# KiCad board Turkey-Corne-Kit.kicad_pcb (continued)
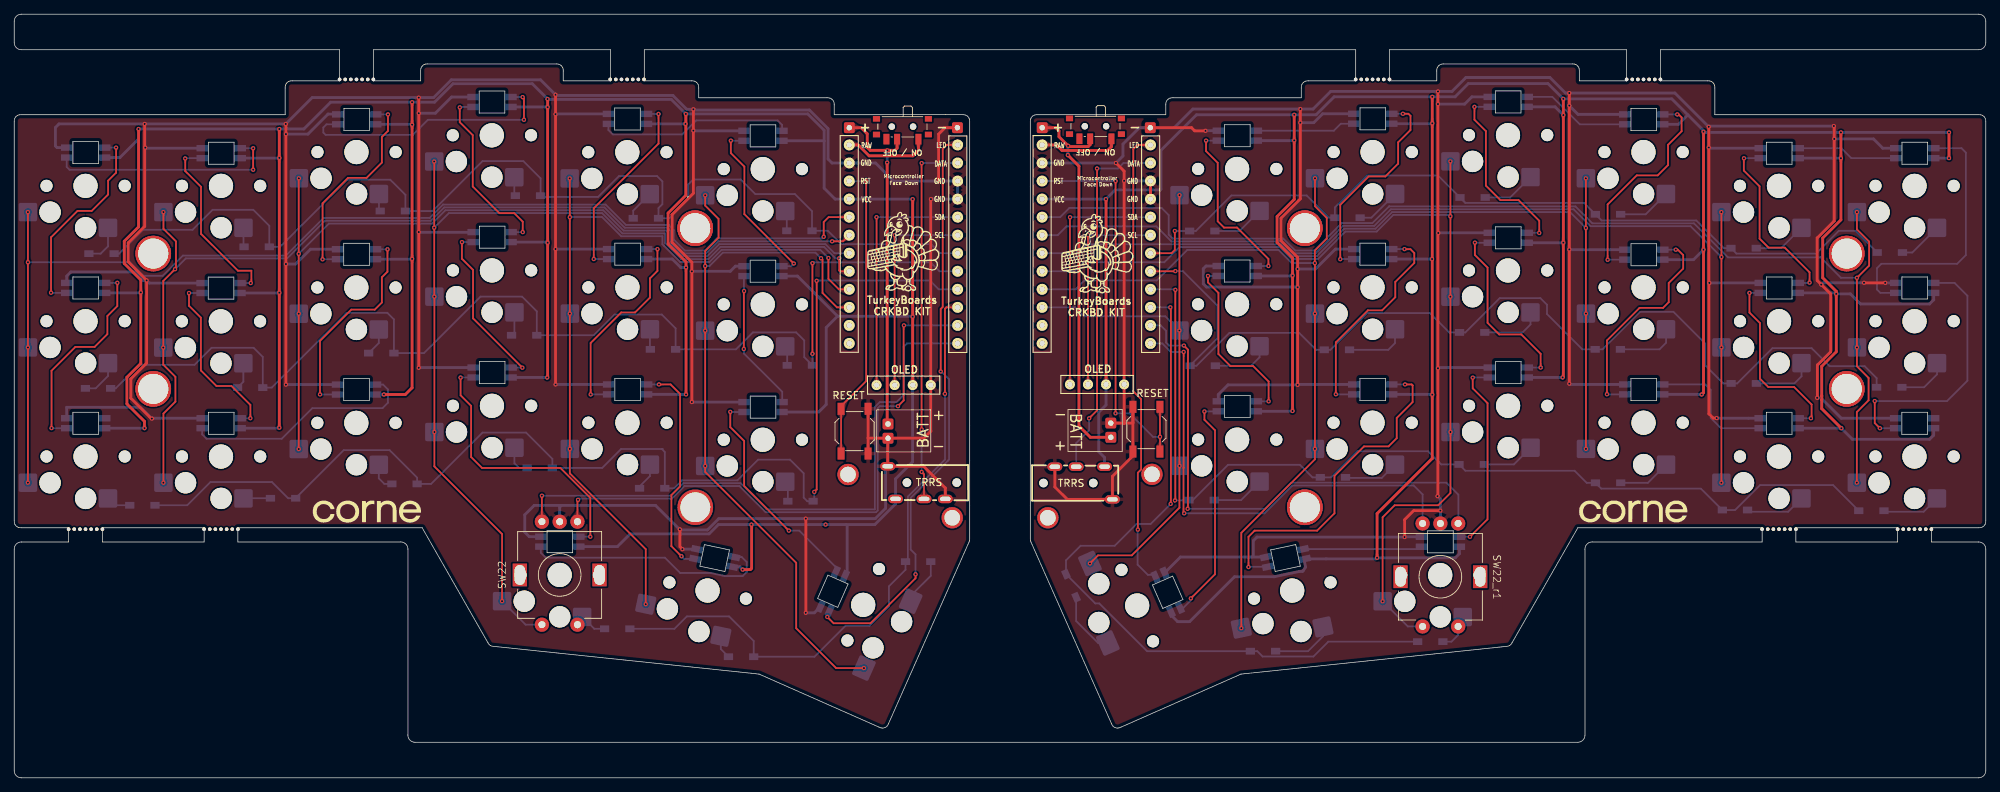
[diagram p0: board, top side]
## Routing (per net, layer and track width the routed paths; a pad name or vN(x,y) marks a point on that pad's centre or on a via; arc(x,y) is an arc through that point) (continued)
VCC: length 568.6
  Top w0.4: v1(17.49,91.33) 17.49,77.54 15.48,75.53 15.48,72.41 17.8,70.09 v1(17.8,68.32) 17.8,58.33 15.85,56.38 15.85,52.64 18.32,50.17 v1(18.32,49.21) ; v1(94.44,93.45) 94.44,92.11 v1(94.38,92.05) 94.44,91.99 94.44,82 91.95,79.5 91.95,75.14 94.47,72.62 v1(94.47,71.83) v1(94.47,53.96) ; v1(74.95,56.34) 75,56.4 v1(75,75.32) v1(75,94.4) v1(75,95.55) ; v1(55.95,95.1) v1(55.95,91.93) v1(55.95,73.04) 55.95,54.9 55,53.95 v1(51.98,53.95) ; v1(102.43,29.31) 103.51,29.31 103.69,29.49 103.69,35.62 v1(103.67,35.64) ; v1(37.28,91.33) v1(37.28,87.26) v1(37.28,68.28) v1(37.28,49.28) 37.33,49.23 ; J2.3 v1(126.34,64.91) v1(126.34,81.45)
  Bottom w0.4: v1(94.38,92.05) L5.1 ; L9.1 55.91,73 v1(55.95,73.04) ; v1(102.43,29.31) 102.04,29.7 L20.1 ; v1(126.34,81.45) 126.32,81.47 U1.21 115.42,81.47 113.89,83 113.89,89.65 ; v1(74.95,56.34) 74.94,56.35 L16.1 ; 117,35.64 117.13,35.51 117.13,28.74 L21.1 ; L2.1 37.24,87.23 v1(37.28,87.26) ; 113.89,89.65 113.89,91.15 111.59,93.45 v1(94.44,93.45) 92.39,95.5 75.05,95.5 v1(75,95.55) 72.85,97.7 61.7,97.7 59.1,95.1 v1(55.95,95.1) 44.5,95.1 40.73,91.33 v1(37.28,91.33) v1(17.49,91.33) 17.49,89.93 14.87,87.31 12.73,87.31 ; 113.89,89.65 113.87,89.67 107.96,89.67 ; v1(37.28,68.28) 37.24,68.24 L8.1 ; L11.1 92.53,73.02 93.72,71.83 v1(94.47,71.83) ; v1(94.47,53.96) 94.46,53.97 L17.1 ; v1(37.28,49.28) 37.21,49.21 L14.1 ; v1(17.8,68.32) 17.74,68.26 L7.1 ; L3.1 55.89,91.99 v1(55.95,91.93) ; L10.1 74.91,75.41 v1(75,75.32) ; v1(126.34,64.91) 126.29,64.96 115.76,64.96 ; 115.76,64.96 115.76,65 110.14,70.62 L12.1 ; 115.76,64.96 114.18,63.38 114.18,52.54 113.12,51.49 L18.1 ; v1(51.98,53.95) L15.1 ; 75,94.5 74.93,94.43 L4.1 ; L13.1 v1(18.32,49.21) ; L19.1 84.82,32.54 86.61,34.33 97.7,34.33 99.01,35.64 v1(103.67,35.64) v1(114.09,35.64) 121.01,35.64 123.93,38.56 J1.1D 123.93,42.08 126.33,44.48 126.33,55.27 J2.3
VCC_r: length 577.2
  Top w0.4: J3_r1.3 153.53,81.45 v1(153.52,81.46) ; v1(237.54,90.95) v1(237.54,74.34) 237.54,54.21 v1(237.28,53.95) ; v1(179.99,93.33) v1(179.99,89.72) 179.99,81.42 177.58,79.01 177.58,75.37 179.75,73.2 v1(179.75,70.7) v1(179.75,51.63) ; 272.05,87.22 v1(272.06,87.23) v1(272.06,90.85) ; v1(256.92,49.2) 254.16,51.96 254.16,53.21 254.17,53.22 254.17,53.75 254.16,53.76 254.16,57.93 256.21,59.98 256.21,68.11 v1(256.2,68.12) 256.2,68.48 254.3,70.38 254.3,75.98 256.86,78.54 v1(256.86,87.22) v1(256.86,90.85) ; v1(199.4,95.86) v1(199.4,92.13) v1(199.4,53.93) 199.4,44.95 191.64,37.19 v1(191.64,30.96) ; v1(217.82,95.57) 217.83,95.56 v1(217.83,93.29) v1(217.83,75.33) 217.83,56.45 v1(217.73,56.35)
  Bottom w0.4: L11_r1.1 v1(199.37,73.02) 199.4,72.99 ; L15_r1.1 237.26,53.97 v1(237.28,53.95) ; 235.34,93.31 233.08,95.57 v1(217.82,95.57) 215.67,97.72 204.47,97.72 202.61,95.86 v1(199.4,95.86) 185.6,95.86 183.07,93.33 v1(179.99,93.33) 166.25,93.33 161.25,88.33 161.25,82.86 161.14,82.75 154.81,82.75 v1(153.52,81.46) 153.51,81.47 U2.21 ; 235.34,93.31 234.01,91.99 L3_r1.1 ; 235.34,93.31 237.54,91.11 v1(237.54,90.95) 237.64,90.85 v1(256.86,90.85) v1(272.06,90.85) ; 199.35,53.93 199.31,53.97 L17_r1.1 ; v1(179.75,70.7) 179.69,70.64 L12_r1.1 ; 212.75,94.45 216.67,94.45 v1(217.83,93.29) ; L9_r1.1 236.13,72.94 v1(237.54,74.34) ; v1(179.99,89.72) 179.96,89.69 L6_r1.1 ; 256.86,87.19 256.82,87.23 L2_r1.1 ; 269.91,68.26 269.91,67.29 269.32,66.7 259.61,66.7 258.19,68.12 v1(256.2,68.12) 256.06,68.26 L8_r1.1 ; J3_r1.3 153.53,52.48 152.5,51.45 152.5,45.9 153.32,45.08 J1_r1.1D ; 250.85,49.21 256.91,49.21 v1(256.92,49.2) 258.47,47.65 269.33,47.65 269.9,48.22 L13_r1.1 ; L1_r1.1 272.05,87.23 v1(272.06,87.23) ; v1(217.73,56.35) L16_r1.1 ; L10_r1.1 217.74,75.32 217.79,75.27 ; L18_r1.1 179.71,51.59 v1(179.75,51.63) ; L19_r1.1 203.22,31.55 202.63,30.96 v1(191.64,30.96) 191.49,30.82 L20_r1.1 181.37,30.67 181.58,29.66 181.27,29.17 181.14,29.05 180.7,29.05 177.18,28.3 171.59,28.3 165.28,21.98 163.59,21.98 162.64,22.93 L21_r1.1 ; v1(199.4,92.13) 199.34,92.07 L5_r1.1
col0: length 165.4
  Top w0.25: v1(1.93,41.54) v1(1.93,60.59) v1(1.93,72.57) v1(1.93,79.64) ; U1.20 114.52,78.93 113.83,78.23 v1(113.83,76.15)
  Bottom w0.25: v1(1.93,72.57) 16.28,72.57 18.19,70.66 20.87,70.66 23.72,73.51 38.21,73.51 43.51,78.81 58.42,78.81 60.3,80.69 83.16,80.69 86.02,77.83 92,77.83 92.74,77.09 92.74,75.77 94.29,74.22 97.12,74.22 98.82,75.92 113.6,75.92 v1(113.83,76.15) 113.65,75.97
col0_r: length 166.8
  Top w0.25: v1(259.11,79.64) 259.11,77.19 260.83,75.47 260.83,72.1 v1(259.11,70.38) v1(259.11,60.59) 259.11,57.93 260.75,56.29 260.75,53.14 259.1,51.49 v1(259.1,41.54)
  Bottom w0.25: v1(259.11,70.38) 256.87,70.38 253.99,73.26 240.98,73.26 236.19,78.05 221.91,78.05 219.53,80.43 193.38,80.43 193.35,80.46 190.98,78.09 186.69,78.09 182.83,74.23 180.12,74.23 178.45,75.9 162.89,75.9 162.34,76.45 162.34,79.21 161.34,80.21 148.37,80.21 147.08,78.93 U2.20
col1: length 143.9
  Top w0.25: U1.19 116.55,75.52 v1(115.01,75.52) ; v1(20.98,79.64) 20.99,79.63 20.99,77.27 22.75,75.51 22.75,71.73 v1(22.62,71.6) 20.96,69.94 v1(20.96,60.57) 20.96,58.15 22.67,56.44 22.67,52.95 20.98,51.26 v1(20.98,41.54)
  Bottom w0.25: v1(22.62,71.6) 24.13,73.11 38.38,73.11 43.68,78.41 58.59,78.41 60.47,80.29 82.99,80.29 85.85,77.43 91.83,77.43 92.34,76.93 92.34,75.61 94.12,73.82 97.28,73.82 98.98,75.52 v1(115.01,75.52)
col1_r: length 141.1
  Top w0.25: v1(240.05,41.54) 240.05,60.58 v1(240.06,60.59) v1(240.06,73.3) 240.06,79.63 v1(240.05,79.64)
  Bottom w0.25: v1(240.06,73.3) 235.71,77.65 221.65,77.65 219.27,80.03 193.59,80.03 191.25,77.69 186.85,77.69 182.99,73.83 179.95,73.83 178.28,75.5 162.72,75.5 160.6,77.62 147.97,77.62 146.73,76.39 U2.19
col2: length 122.8
  Top w0.25: v1(40.03,84.4) 40.01,84.38 v1(40.01,73.76) v1(40.01,65.33) v1(40.01,46.28)
  Bottom w0.25: v1(40.01,73.76) 40.01,73.77 44.25,78.01 58.75,78.01 60.63,79.89 82.82,79.89 85.68,77.03 91.66,77.03 91.94,76.76 91.94,75.44 93.95,73.42 97.45,73.42 99.15,75.12 114.05,75.12 115.33,73.85 U1.18
col2_r: length 119.3
  Top w0.25: v1(221,84.4) v1(221,77.4) 221,65.36 v1(221.01,65.35) v1(221.01,46.3)
  Bottom w0.25: U2.18 149.51,73.85 150.77,75.1 178.11,75.1 179.78,73.43 183.16,73.43 187.02,77.29 191.41,77.29 193.75,79.63 218.77,79.63 v1(221,77.4)
col3: length 138.6
  Top w0.25: v1(68.6,24.87) 68.6,34.31 59.08,43.83 v1(59.08,48.68) v1(59.08,67.74) 59.06,67.76 v1(59.06,77.43) v1(59.06,86.76) ; U1.17 116.12,71.31 116.01,71.42 v1(116.01,73.14)
  Bottom w0.25: v1(59.06,77.43) 61.12,79.49 82.66,79.49 85.52,76.63 91.5,76.63 91.54,76.6 91.54,75.28 93.8,73.01 97.6,73.01 99.31,74.72 113.89,74.72 115.47,73.14 v1(116.01,73.14) ; SW22.S1 71.91,21.55 v1(68.6,24.87)
col3_r: length 138.7
  Top w0.25: v1(201.95,86.78) v1(201.95,79.04) v1(201.95,67.73) 201.95,48.69 v1(201.96,48.68) 201.96,40.09 200.23,38.36 194.11,38.36 192.42,36.67 v1(192.42,24.85)
  Bottom w0.25: v1(201.95,79.04) 201.76,79.23 193.92,79.23 191.58,76.89 187.18,76.89 183.32,73.03 179.62,73.03 177.95,74.7 163.85,74.7 161.72,72.57 150.39,72.57 149.12,71.31 U2.17 ; v1(192.42,24.85) 195.96,21.3 SW22_r1.S1
col4: length 111.7
  Top w0.25: v1(114.49,73.17) 114.49,70.23 115.95,68.77 U1.16 ; v1(88.8,24.44) 88.8,32.18 78.13,42.85 v1(78.13,46.3) v1(78.13,65.35) v1(78.13,78.92) 78.13,84.36 v1(78.11,84.38)
  Bottom w0.25: v1(78.13,78.92) 78.15,78.94 82.64,78.94 85.35,76.23 91.14,76.23 91.14,75.11 93.63,72.61 97.77,72.61 99.48,74.32 113.34,74.32 v1(114.49,73.17)
col4_r: length 110.4
  Top w0.25: v1(172.54,21.07) 172.54,34.48 182.9,44.83 v1(182.9,46.3) v1(182.9,65.35) 182.9,72.45 v1(182.89,72.46) 182.89,74.22 184.57,75.89 184.57,78.8 182.91,80.46 v1(182.91,84.4)
  Bottom w0.25: v1(182.89,72.46) 182.88,72.46 179.62,72.46 177.78,74.3 164.95,74.3 160.66,70.01 150.5,70.01 149.25,68.77 U2.16
col5: length 106.6
  Top w0.25: v1(97.16,82) 97.16,80.55 99.04,78.67 99.04,76.03 97.16,74.15 v1(97.16,72.04) v1(97.16,62.95) v1(97.16,43.9) 97.16,43.06 109.96,30.26 109.96,21.05 115.56,15.45 v1(119.48,15.45) ; v1(113.45,73.14) 113.66,72.93 113.66,68.25 115.68,66.23 U1.15
  Bottom w0.25: v1(113.45,73.14) 112.67,73.92 99.64,73.92 97.76,72.04 v1(97.16,72.04)
col5_r: length 80.5
  Top w0.25: v1(163.86,82.02) 163.85,82.01 v1(163.85,62.97) 163.85,44.44 163.86,44.43 v1(163.86,43.92) 163.85,43.91 163.85,38.01 157.15,31.31 152.4,31.31 v1(151.26,30.18)
  Bottom w0.25: v1(163.85,62.97) 161.85,64.96 150.45,64.96 149.18,66.23 U2.15
Data: length 52.5
  Top w0.25: v1(127.6,49.03) 127.59,49.04 127.59,86.51 v1(127.61,86.53) ; J1.2C 127.93,42.72 v1(127.6,43.05)
  Bottom w0.25: U1.2 127.62,86.55 v1(127.61,86.53) ; v1(127.6,49.03) v1(127.6,43.05)
Data_r: length 51
  Top w0.25: v1(151.15,50.6) 152.26,51.71 v1(152.26,85.77)
  Bottom w0.25: U2.2 155.97,86.55 155.2,85.77 v1(152.26,85.77) ; J1_r1.2C 149.32,47.11 151.15,48.93 v1(151.15,50.6)
EDA: length 84.4
  Top w0.25: v1(125.11,63.69) 125.07,63.65 125.07,53.11 v1(124.27,52.31) ; SW22.A 79.2,39.04 v1(79.28,39.13)
  Bottom w0.25: v1(125.11,63.69) U1.11 ; v1(79.28,39.13) 79.46,39.3 92.48,39.3 94.25,41.07 101.97,41.07 105.66,37.38 121.18,37.38 121.42,37.62 121.42,52.02 121.71,52.31 v1(124.27,52.31) 124.31,52.31
EDA_r: length 74.4
  Top w0.25: v1(164.47,60.84) 165.05,60.26 165.05,37.91 v1(165,37.86)
  Bottom w0.25: v1(165,37.86) 175.87,37.86 179.55,41.54 201.38,41.54 203.07,39.85 203.07,35.83 SW22_r1.A ; U2.11 161.2,63.69 161.97,62.92 161.97,61.27 162.4,60.84 v1(164.47,60.84)
EDB: length 86.5
  Top w0.25: v1(74.2,39.7) SW22.B
  Bottom w0.25: v1(74.2,39.7) 92.32,39.7 94.09,41.47 102.14,41.47 105.83,37.78 121.02,37.78 121.02,52.19 121.71,52.89 124.06,52.89 125.07,53.89 125.07,60.67 125.54,61.15 U1.12
EDB_r: length 67.7
  Top w0.25: v1(164.52,37.23) 164.42,37.33 164.42,43.66 164.44,43.68 v1(164.44,59.95)
  Bottom w0.25: U2.12 161.43,61.15 162.63,59.95 v1(164.44,59.95) ; v1(164.52,37.23) 175.81,37.23 179.72,41.14 196.79,41.14 198.04,39.89 SW22_r1.B
LED: length 82.4
  Top w0.25: v1(130.28,57.19) 130.28,66 130.56,66.28 130.56,83.5 130.56,83.51 130.56,88.54 131.11,89.09 U1.1 ; v1(126.74,28.64) 126.74,28.09 120.4,21.75 115.22,21.75 v1(114.33,22.64)
  Bottom w0.25: L21.4 114.66,22.98 v1(114.33,22.64) ; v1(130.28,57.19) 130.36,57.19 131.45,56.1 131.45,44.81 131.28,44.63 131.28,44.63 126.06,39.41 126.06,32.12 126.74,31.44 v1(126.74,28.64)
LED_r: length 65.1
  Top w0.25: v1(158,34.93) 158,42.94 158.46,43.4 158.46,53.3 157.36,54.4 157.36,88.51 157.93,89.09 U2.1
  Bottom w0.25: L21_r1.4 160.2,28.57 159.4,28.57 157.97,30 157.97,34.9 v1(158,34.93)
PWR: length 12.3
  Top w0.4: pwr1.1 127.15,88.33 126.37,87.55 120.21,87.55 118.67,89.09 U1.24
PWR_r: length 11.4
  Top w0.4: U2.24 146.55,89.09 147.33,88.31 153.74,88.31 154.29,88.85 pwr1_r1.1
RESET: length 42.2
  Top w0.25: RS1.1 RS1.1 ; 119.8,84.11 v1(119.8,83.98) 119.8,55.84 116.08,52.12
  Bottom w0.25: v1(119.8,83.98) 117.44,83.98 U1.22
RESET_r: length 57
  Top w0.25: RS1_r1.1 161.12,45.93 v1(161.12,47.99) 161.11,48 RS1_r1.1 ; v1(154.87,84.01) 154.87,51.31 v1(154.86,51.3)
  Bottom w0.25: v1(154.86,51.3) 156.83,51.3 160.14,47.99 v1(161.12,47.99) ; v1(154.87,84.01) 154.86,84.01 U2.22
row0: length 155.4
  Bottom w0.25: U1.7 130.2,73.85 128.93,75.12 116.29,75.12 114.41,77 D6.1 112.18,79.76 109.77,82.17 104.21,82.17 102.16,84.22 95.48,84.22 94.76,83.5 94.76,81.41 92.11,78.76 D5.1 90.59,80.2 91.14,80.75 91.14,83.95 90.39,84.7 85.04,84.7 82.11,81.77 74.19,81.77 D4.1 74.01,84.39 71.59,86.81 65.86,86.81 58.83,79.78 D3.1 55.01,82.06 52.88,84.19 46.84,84.19 37.39,74.74 D2.1 35.87,77.7 33.62,79.95 27.89,79.95 25.08,77.14 18.1,77.14 14.74,73.78 D1.1
row0_r: length 119.9
  Top w0.25: U2.7 162.73,73.85 163.2,74.31 v1(163.2,76.97)
  Bottom w0.25: D1_r1.1 258.91,76.99 256.56,76.99 253.36,73.79 242.16,73.79 D2_r1.1 240.42,74.55 236.52,78.45 223.2,78.45 D3_r1.1 220.73,80.92 204.06,80.92 D4_r1.1 ; U2.7 159.8,73.85 ; 204.04,80.94 D4_r1.1 ; D4_r1.1 200.2,84.78 190.2,84.78 185.7,80.29 D5_r1.1 184.87,78.84 181.74,81.97 171.15,81.97 166.15,76.97 D6_r1.1 v1(163.2,76.97)
row1: length 167.8
  Top w0.25: v1(112.24,59.68) 112.24,72.44 v1(112.25,72.44)
  Bottom w0.25: 112.37,72.56 128.85,72.56 130.1,71.31 U1.8 ; 112.37,72.56 112.55,72.56 ; 112.37,72.56 v1(112.25,72.44) ; D7.1 14.27,54.82 17.58,58.13 25.36,58.13 27.76,60.53 33.67,60.53 34.95,59.25 D8.1 36.22,54.93 46.74,65.45 52.47,65.45 53.39,64.53 D9.1 57.62,59.78 65.57,67.73 71.41,67.73 73.48,65.66 D10.1 73.49,62.3 81.5,62.3 84.41,65.21 91.06,65.21 93,63.27 D11.1 101.49,60.31 103.87,62.69 109.96,62.69 111.09,61.56 111.09,59.22 D12.1 v1(112.24,59.68) 112.24,59.75
row1_r: length 143.2
  Top w0.25: v1(163.27,71.32) 163.25,71.31 U2.8
  Bottom w0.25: D7_r1.1 261.88,56.26 260.2,57.94 255.27,57.94 252.73,60.48 247.24,60.48 242.27,55.51 D8_r1.1 240.33,55.51 237.78,58.06 237.78,61.12 233.31,65.59 228.62,65.59 223.34,60.31 D9_r1.1 220.5,60.31 215.53,65.28 215.53,66.59 214.6,67.52 208.88,67.52 204.05,62.69 D10_r1.1 201.79,62.69 199.07,65.41 190.25,65.41 185.08,60.24 D11_r1.1 183.07,60.24 180.68,62.63 170.88,62.63 166.25,58 D12_r1.1 165.34,58.03 169.18,61.86 169.18,66.47 164.33,71.32 v1(163.27,71.32)
row2: length 170.2
  Top w0.25: v1(112.5,40.24) 112.84,40.58 v1(112.84,69.96)
  Bottom w0.25: U1.9 129.99,68.77 128.76,70 112.88,70 v1(112.84,69.96) ; 91.06,46.28 85.34,46.28 82.68,43.62 D16.1 75.67,44.9 71.98,48.59 65.85,48.59 58.63,41.37 D15.1 56.65,42.25 52.78,46.12 46.33,46.12 39.58,39.38 D14.1 38.52,39.35 36.24,41.63 27.6,41.63 24.33,38.36 D13.1 ; 91.06,46.28 91.48,45.86 D17.1 92.8,40.75 93.92,41.87 101.69,41.87 104.6,44.78 109.09,44.78 111.01,42.86 111.01,39.44 111.52,38.93 D18.1 112.5,39.1 v1(112.5,40.24) ; 91.06,46.28 91.22,46.28
row2_r: length 140.1
  Top w0.25: 163.2,68.77 v1(163.27,68.69) 163.27,68.69 163.27,39.09 v1(163.21,39.04)
  Bottom w0.25: U2.9 163.2,68.77 v1(163.27,68.69) ; v1(163.21,39.04) 165.13,39.04 D18_r1.1 165.72,39.09 170.68,44.05 180.79,44.05 182.55,42.29 D17_r1.1 185.16,42.29 188.83,45.96 198.81,45.96 200.66,44.11 D16_r1.1 204.05,43.22 219.41,43.22 221.11,41.52 D15_r1.1 223.16,40.7 237.17,40.7 D14_r1.1 241.98,37.69 245.49,41.2 255.75,41.2 D13_r1.1
row3: length 91
  Top w0.25: 130.66,54.04 v1(130.88,54.04) 130.88,66.03 131.07,66.23 U1.10
  Bottom w0.25: v1(130.88,54.04) 130.88,44.79 125.66,39.57 125.66,30.76 D21.1 125.33,29.29 123,26.95 123,24.15 120.25,21.4 116.9,21.4 112.54,17.04 D20.1 103.98,19.26 100.53,22.71 94.58,22.71 92.84,20.97 D19.1
row3_r: length 105.6
  Top w0.25: v1(162.62,38.55) 162.64,38.58 162.64,66.15 v1(162.57,66.23)
  Bottom w0.25: v1(162.62,38.55) 159.8,35.73 157.81,35.73 154.74,32.66 149.95,32.66 147.89,30.61 D21_r1.1 152.01,24.54 152.58,24.54 159.3,17.82 D20_r1.1 174.79,17.82 175.54,17.07 182.69,17.07 184.78,19.16 D19_r1.1 ; v1(162.57,66.23) U2.10
SCL: length 29.9
  Top w0.25: J2.2 123.8,76.35 v1(123.83,76.38)
  Bottom w0.25: U1.6 123.83,76.39 v1(123.83,76.38)
SCL_r: length 29.8
  Top w0.25: 151,76.41 v1(150.99,76.4) 150.99,55.37
  Bottom w0.25: U2.6 151,76.39 v1(150.99,76.4)
SDA: length 35.1
  Top w0.25: 121.23,78.94 v1(121.25,78.92) 121.26,78.91 J2.1
  Bottom w0.25: U1.5 121.26,78.93 v1(121.25,78.92)
SDA_r: length 34.9
  Top w0.25: v1(148.46,78.91) 148.45,78.9 148.45,55.37
  Bottom w0.25: U2.5 148.47,78.93 v1(148.46,78.91)
Net-(D1-Pad2): length 5.7
  Bottom w0.25: D1.2 12.16,73.78 13.19,74.82 SW1.2
Net-(D1_r1-Pad2): length 6.3
  Bottom w0.25: D1_r1.2 266.89,73.94 sw1_r1.2
Net-(D2-Pad2): length 2.7
  Bottom w0.25: SW2.2 32.24,74.83 D2.2
Net-(D2_r1-Pad2): length 7.5
  Bottom w0.25: D2_r1.2 248.44,74.55 sw2_r1.2
Net-(D3-Pad2): length 2.5
  Bottom w0.25: SW3.2 51.29,79.96 D3.2
Net-(D3_r1-Pad2): length 7.6
  Bottom w0.25: SW3_r1.2 229.4,79.32 D3_r1.2
Net-(D4-Pad2): length 2.9
  Bottom w0.25: SW4.2 70.32,82.1 70.64,81.77 70.68,81.77
Net-(D4_r1-Pad2): length 7.6
  Bottom w0.25: D4_r1.2 210.34,81.69 SW4_r1.2
Net-(D5-Pad2): length 4.4
  Bottom w0.25: SW5.2 87.04,79.83 D5.2
Net-(D5_r1-Pad2): length 6.3
  Bottom w0.25: D5_r1.2 190.83,78.84 SW5_r1.2
Net-(D6-Pad2): length 2.9
  Bottom w0.25: D6.2 108.63,79.57 SW6.2
Net-(D6_r1-Pad2): length 7.5
  Bottom w0.25: SW6_r1.2 172.29,76.97 D6_r1.2
Net-(D7-Pad2): length 5.7
  Bottom w0.25: D7.2 11.46,54.82 13.19,56.56 SW7.2
Net-(D7_r1-Pad2): length 7.3
  Bottom w0.25: SW7_r1.2 270.37,56.79 268.56,54.97 D7_r1.2
Net-(D8-Pad2): length 3.8
  Bottom w0.25: SW8.2 32.22,55.75 D8.2
Net-(D8_r1-Pad2): length 8.6
  Bottom w0.25: D8_r1.2 250.32,55.51 251.32,56.52 SW8_r1.2
Net-(D9-Pad2): length 3.9
  Bottom w0.25: SW9.2 51.27,61.21 D9.2
Net-(D9_r1-Pad2): length 8.7
  Bottom w0.25: SW9_r1.2 232.27,61.24 231.35,60.31 D9_r1.2
Net-(D10-Pad2): length 3.4
  Bottom w0.25: D10.2 70.34,62.7 SW10.2
Net-(D10_r1-Pad2): length 8.6
  Bottom w0.25: SW10_r1.2 213.21,63.82 212.09,62.69 D10_r1.2
Net-(D11-Pad2): length 2.8
  Bottom w0.25: SW11.2 89.39,60.38 D11.2
Net-(D11_r1-Pad2): length 8.7
  Bottom w0.25: D11_r1.2 193.21,60.24 194.16,61.2 SW11_r1.2
Net-(D12-Pad2): length 2.8
  Bottom w0.25: SW12.2 108.69,60.46 D12.2
Net-(D12_r1-Pad2): length 8.3
  Bottom w0.25: SW12_r1.2 175.11,59.2 173.92,58 D12_r1.2
Net-(D13-Pad2): length 3.4
  Bottom w0.25: D13.2 14.15,38.36 SW13.2
Net-(D13_r1-Pad2): length 8.3
  Bottom w0.25: D13_r1.2 263.05,37.45 268.49,37.45 SW13_r1.2
Net-(D14-Pad2): length 3.8
  Bottom w0.25: SW14.2 32.27,39.35 D14.2
Net-(D14_r1-Pad2): length 8.5
  Bottom w0.25: D14_r1.2 243.97,37.45 249.44,37.45 SW14_r1.2
Net-(D15-Pad2): length 4.1
  Bottom w0.25: D15.2 52.05,41.37 51.27,42.15 SW15.2
Net-(D15_r1-Pad2): length 7.4
  Bottom w0.25: D15_r1.2 229.71,41.52 SW15_r1.2
Net-(D16-Pad2): length 4.2
  Bottom w0.25: D16.2 71,43.62 70.34,44.28 SW16.2
Net-(D16_r1-Pad2): length 7.5
  Bottom w0.25: D16_r1.2 210.87,44.11 SW16_r1.2
Net-(D17-Pad2): length 3.9
  Bottom w0.25: SW17.2 89.39,42.47 87.93,41.01 D17.2
Net-(D17_r1-Pad2): length 7.8
  Bottom w0.25: D17_r1.2 187.28,42.21 192.29,42.21 SW17_r1.2
Net-(D18-Pad2): length 2.9
  Bottom w0.25: D18.2 108.78,41.32 SW18.2
Net-(D18_r1-Pad2): length 7.5
  Bottom w0.25: SW18_r1.2 172.51,39.09 D18_r1.2
Net-(D19-Pad2): length 5.2
  Bottom w0.25: D19.2 81.57,20.97 79.89,22.65 SW19.2 79.86,22.22 SW22.S2
Net-(D19_r1-Pad2): length 5.3
  Bottom w0.25: SW19_r1.2 203.68,21.95 SW22_r1.S2 203.04,20.1 202.1,19.16 D19_r1.2
Net-(D20-Pad2): length 3.3
  Bottom w0.25: D20.2 99.36,18.12 SW20.2
Net-(D20_r1-Pad2): length 8.8
  Bottom w0.25: D20_r1.2 181.93,17.82 184.02,19.91 SW20_r1.2
Net-(D21-Pad2): length 6.7
  Bottom w0.25: D21.2 128.88,28.44 126.05,25.61 SW21.2
Net-(D21_r1-Pad2): length 9.1
  Bottom w0.25: SW21_r1.2 152.41,18.98 149.32,22.06 D21_r1.2
Net-(J3-B+): length 49.1
  Top w0.4: pwr1.2 124.15,88.63 123.84,88.32 v1(122.77,88.32) 120.37,88.32 119.95,88.74 119.95,90.65 119.08,91.52 U1.25 ; v1(122.75,86.61) 122.75,49.92 J3.1
  Bottom w0.4: v1(122.75,86.61) 122.77,86.62 v1(122.77,88.32)
Net-(J4-B+): length 54.5
  Top w0.4: v1(148.16,87.66) 149.72,86.1 149.72,49.53 151.32,47.93 J4.1 ; pwr1_r1.2 151.29,89.12 151.02,88.86 148.29,88.86 v1(148.19,88.96) 146.91,90.24 146.91,91.08 146.47,91.52 U2.25
  Bottom w0.4: v1(148.16,87.66) 148.16,88.92 v1(148.19,88.96)
Net-(L1-DIN): length 32.5
  Top w0.25: v1(33.6,88.62) v1(33.6,85.59)
  Bottom w0.25: v1(33.6,88.62) 33.59,88.63 L2.2 ; v1(33.6,85.59) 7.78,85.59 7.38,85.99 7.38,87.31
Net-(L1-DOUT): length 29.2
  Top w0.25: v1(5.18,68.28) 5.18,76.08 8.9,79.8 10.9,79.8 13.2,82.1 13.2,84.05 14.33,85.18 v1(14.33,88.71)
  Bottom w0.25: L7.4 5.2,68.26 v1(5.18,68.28) ; 14.36,88.74 v1(14.33,88.71) L1.2
Net-(L1_r1-DIN): length 14.3
  Bottom w0.25: L1_r1.4 258.32,87.23 256.92,88.63 L2_r1.2
Net-(L1_r1-DOUT): length 38.3
  Bottom w0.25: L1_r1.2 273.81,88.63 274.43,88.01 274.43,73.58 273.2,72.35 262.55,72.35 261.93,71.73 261.93,68.74 262.41,68.26 L7_r1.4
Net-(L2-DIN): length 26.5
  Top w0.25: v1(33.26,69.64) 33.35,69.73 33.35,71.38 31.46,71.38 26.27,76.57 26.27,83.19 24.05,85.41 v1(24.05,87.18) 24.05,87.21
  Bottom w0.25: 33.27,69.65 v1(33.26,69.64) 31.77,69.64 ; L2.4 24.09,87.23 v1(24.05,87.18)
Net-(L2_r1-DIN): length 26.6
  Top w0.25: v1(243.23,87.21) 243.21,87.19 243.21,85.47 245.42,83.26 245.42,75.9 246.69,74.63 248.97,74.63 252.45,71.15 v1(252.45,69.7)
  Bottom w0.25: L2_r1.4 243.24,87.23 v1(243.23,87.21) ; v1(252.45,69.7) 252.41,69.66 250.87,69.66
Net-(L3-DIN): length 37.1
  Top w0.25: v1(71.5,95.82) 71.68,95.64 v1(71.68,92.62)
  Bottom w0.25: v1(71.68,92.62) 58.17,92.62 56.05,90.5 43.79,90.5 43.47,90.82 43.47,91.54 43.91,91.99 L3.4 ; v1(71.5,95.82) 71.49,95.83 L4.2
Net-(L3-DOUT): length 29.6
  Top w0.25: v1(43.36,72.98) 43.36,80.86 46.95,84.45 49.55,84.45 51.7,86.6 51.7,90.2 52.56,91.06 v1(52.56,93.39)
  Bottom w0.25: L3.2 v1(52.56,93.39) 52.63,93.39 52.64,93.39 ; v1(43.36,72.98) 43.38,73 L9.4
Net-(L3_r1-DIN): length 15.3
  Bottom w0.25: L4_r1.2 216.28,95.85 220.14,91.99 226.46,91.99
Net-(L3_r1-DOUT): length 31.3
  Top w0.25: v1(233.84,93.39) 234.03,93.39 234.46,92.96 234.46,91.01 232.55,89.1 232.55,86.25 231.1,84.8 228.15,84.8 224.06,80.71 v1(224.06,72.92)
  Bottom w0.25: v1(224.06,72.92) 224.07,72.94 L9_r1.4 ; L3_r1.2 v1(233.84,93.39)
Net-(L5-DIN): length 27.5
  Bottom w0.25: L6.2 107.97,91.92 107.34,92.54 95.89,92.54 93.92,90.57 84.17,90.57 83.56,91.18 L5.4
Net-(L5_r1-DIN): length 14.1
  Bottom w0.25: L6_r1.2 185.56,91.09 186.54,92.07 L5_r1.4
Net-(L10-DIN): length 24.3
  Top w0.25: v1(62.96,75.41) 62.96,73.06 64.52,71.5 64.52,64.67 v1(71.46,57.73)
  Bottom w0.25: L16.2 71.44,57.75 v1(71.46,57.73) ; L10.4 v1(62.96,75.41)
Net-(L10-DOUT): length 26
  Top w0.25: v1(62.65,94.37) 62.65,92.29 64.48,90.46 64.48,83.23 68.23,79.48 70.31,79.48 71.51,78.28 v1(71.51,76.81)
  Bottom w0.25: 71.56,76.82 71.55,76.81 v1(71.51,76.81) L10.2 ; L4.4 62.72,94.43 v1(62.65,94.37)
Net-(L10_r1-DIN): length 27.1
  Top w0.25: v1(205.39,75.33) 205.39,73.6 207.17,71.82 207.17,64.05 208.81,62.41 211.91,62.41 214.64,59.68 v1(214.64,57.75)
  Bottom w0.25: L16_r1.2 v1(214.64,57.75) ; v1(205.39,75.33) 205.4,75.32 L10_r1.4
Net-(L10_r1-DOUT): length 26.8
  Top w0.25: 205.33,94.47 v1(205.33,94.45) 205.33,92.64 206.94,91.03 206.94,83.36 208.98,81.32 211.53,81.32 214.44,78.41 v1(214.44,76.7)
  Bottom w0.25: 207.4,94.45 v1(205.33,94.45) ; L10_r1.2 214.42,76.72 v1(214.44,76.7)
Net-(L11-DIN): length 28
  Top w0.25: v1(81.5,73.02) 81.5,80.17 90.6,89.27 v1(90.6,93.45)
  Bottom w0.25: L5.2 v1(90.6,93.45) 90.69,93.45 ; L11.4 v1(81.5,73.02)
Net-(L11-DOUT): length 29.5
  Top w0.25: v1(81.06,53.96) 81.06,61.21 85.35,65.5 87.3,65.5 89.4,67.6 89.4,70.3 90.45,71.35 v1(90.45,74.42)
  Bottom w0.25: 88.94,74.42 v1(90.45,74.42) 90.46,74.43 ; L17.4 81.07,53.97 v1(81.06,53.96)
Net-(L11_r1-DIN): length 30.3
  Top w0.25: v1(186.46,73) 186.46,80.66 190.45,84.65 192.8,84.65 194.6,86.45 194.6,89.45 196.34,91.19 196.34,93.18 196.05,93.47 v1(195.27,93.47)
  Bottom w0.25: L5_r1.2 v1(195.27,93.47) 195.28,93.48 ; L11_r1.4 186.48,73.02 v1(186.46,73)
Net-(L11_r1-DOUT): length 31.7
  Top w0.25: v1(195.49,74.42) 195.5,74.41 196.33,74.41 196.87,73.87 196.87,72.47 194.2,69.8 194.2,67.65 192.35,65.8 190.35,65.8 185.84,61.29 v1(185.84,53.99) 185.84,53.97
  Bottom w0.25: L17_r1.4 185.86,53.97 v1(185.84,53.99) ; 195.6,74.44 195.58,74.42 v1(195.49,74.42) L11_r1.2
Net-(L12-DIN): length 20
  Top w0.25: v1(102.63,68.52) 102.6,68.49 v1(102.6,60.36)
  Bottom w0.25: L18.2 107.99,52.89 107.99,54.34 102.6,59.73 v1(102.6,60.36) ; v1(102.63,68.52) 102.61,68.54 102.61,70.62
Net-(L12-DOUT): length 24.6
  Top w0.25: v1(100.77,89.69) 100.77,87.93 102.67,86.03 102.67,79.34 v1(109.62,72.39)
  Bottom w0.25: v1(100.77,89.69) 100.79,89.67 102.61,89.67 ; 107.97,72.02 109.25,72.02 v1(109.62,72.39)
Net-(L12_r1-DIN): length 26.2
  Top w0.25: v1(176.39,52.99) 176.39,55.78 174.21,57.96 171.02,57.96 169.33,59.65 169.33,68.26 167.86,69.73 v1(167.86,70.64)
  Bottom w0.25: L12_r1.4 v1(167.86,70.64) ; L18_r1.2 v1(176.39,52.99)
Net-(L12_r1-DOUT): length 25.8
  Top w0.25: v1(176.36,72.04) 176.36,73.04 171.95,77.45 170.12,77.45 169.23,78.34 169.23,86.57 167.59,88.21 v1(167.59,89.69)
  Bottom w0.25: 176.43,72.05 176.42,72.04 v1(176.36,72.04) 174.66,72.04 ; L6_r1.4 v1(167.59,89.69)
Net-(L13-DIN): length 29.8
  Top w0.25: v1(14.5,69.68) 14.5,66.4 13.1,65 13.1,62.45 11.3,60.65 8.6,60.65 5.25,57.3 v1(5.25,49.22)
  Bottom w0.25: L13.4 5.26,49.21 v1(5.25,49.22) ; 12.74,69.66 14.48,69.66 v1(14.5,69.68)
Net-(L13_r1-DIN): length 38.2
  Top w0.25: v1(261.62,53.03) 261.62,49.93 v1(262.34,49.21)
  Bottom w0.25: L13_r1.4 v1(262.34,49.21) 262.15,49.21 ; 269.92,69.66 272.84,69.66 274.65,67.85 274.65,55.9 271.78,53.03 v1(261.62,53.03) 261.59,53
Net-(L14-DIN): length 33.2
  Bottom w0.25: 26.43,49.21 26.43,48.34 27.04,47.73 37.62,47.73 41.93,52.04 51.79,52.04 52.55,52.8 52.55,54.67 51.87,55.35 50.82,55.35
Net-(L14-DOUT): length 25.7
  Top w0.25: v1(33.21,50.61) 33.21,52.49 30.55,55.15 28.44,55.15 26.25,57.34 26.25,64.77 24.58,66.44 v1(24.58,68.24)
  Bottom w0.25: 31.79,50.61 v1(33.21,50.61) 33.23,50.63 ; 26.41,68.24 v1(24.58,68.24)
Net-(L14_r1-DIN): length 18.5
  Bottom w0.25: L15_r1.2 237.78,55.37 238.55,54.6 238.55,50.67 240,49.21 L14_r1.4
Net-(L14_r1-DOUT): length 26.7
  Top w0.25: v1(252.64,50.61) 252.74,50.71 252.74,52.54 250.27,55.01 246.64,55.01 245.48,56.17 245.48,64.01 244,65.49 v1(244,68.26)
  Bottom w0.25: v1(244,68.26) L8_r1.4 ; L14_r1.2 v1(252.64,50.61)
Net-(L15-DIN): length 30.4
  Top w0.25: v1(52.49,74.39) 52.49,71.24 51.7,70.45 51.7,66.9 50.7,65.9 47.4,65.9 43,61.5 v1(43,53.96)
  Bottom w0.25: L15.4 43.01,53.95 v1(43,53.96) ; 50.82,74.4 52.48,74.4 v1(52.49,74.39)
Net-(L15_r1-DIN): length 31.6
  Top w0.25: v1(223.96,53.99) 223.96,61.56 228.55,66.15 231.85,66.15 232.65,66.95 232.65,69.65 234.68,71.68 234.68,73.58 233.92,74.34 v1(233.64,74.34)
  Bottom w0.25: v1(233.64,74.34) 233.63,74.34 L9_r1.2 ; v1(223.96,53.99) 223.98,53.97 226.46,53.97
Net-(L16-DIN): length 39.8
  Top w0.25: v1(81.01,33.93) 81.01,39.41 76.8,43.61 65.79,43.61 64.25,45.15 64.25,52.36 62.77,53.84 v1(62.77,56.34)
  Bottom w0.25: L19.2 81,33.94 v1(81.01,33.93) ; L16.4 62.78,56.35 v1(62.77,56.34)
Net-(L16_r1-DIN): length 28.1
  Top w0.25: v1(204.7,33.92) 207.17,36.39 207.17,52.74 205.09,54.82 v1(205.09,56.33)
  Bottom w0.25: L16_r1.4 205.11,56.35 v1(205.09,56.33) ; 203.23,33.92 v1(204.7,33.92)
Net-(L17-DOUT): length 31.3
  Top w0.25: v1(90.66,55.37) 92.3,55.37 93.63,54.04 93.63,41.01 92.41,39.79 92.41,32.6 v1(93.83,31.18)
  Bottom w0.25: L20.4 94.2,30.81 v1(93.83,31.18) ; 88.94,55.37 v1(90.66,55.37)
Net-(L17_r1-DOUT): length 48
  Top w0.25: v1(173.56,29.66) 173.56,33.93 174.42,34.79 183.21,34.79 185.65,37.23 185.65,42.5 189.8,46.65 193.25,46.65 194.4,47.8 194.4,50.65 196.64,52.89 196.64,55.23 196.5,55.37 v1(195.57,55.37)
  Bottom w0.25: v1(173.56,29.66) 173.6,29.71 L20_r1.4 ; L17_r1.2 v1(195.57,55.37)
Net-(L18-DIN): length 31.6
  Top w0.25: v1(100.69,51.51) 100.69,49.36 102.64,47.41 102.64,41.08 v1(108.93,34.79)
  Bottom w0.25: L18.4 100.71,51.49 v1(100.69,51.51) ; L21.2 115.67,29.13 115.67,29.51 110.39,34.79 v1(108.93,34.79)
Net-(L18_r1-DIN): length 32.5
  Top w0.25: v1(165.45,25.25) 168.85,28.65 168.85,48.91 167.36,50.4 v1(167.36,51.57)
  Bottom w0.25: v1(167.36,51.57) 169.29,51.57 L18_r1.4 ; v1(165.45,25.25) 165.45,24.98 164.42,23.95 L21_r1.2
Net-(L19-DIN): length 34.7
  Bottom w0.25: L20.2 102.3,31.07 103,30.37 103,28.97 102.44,28.4 99.89,28.4 99.88,28.41 97.89,28.83 93.65,28.83 91.5,30.98 74.74,30.98 74.05,31.68 L19.4
Net-(L19_r1-DIN): length 16.8
  Bottom w0.25: L19_r1.4 197.53,32.19 L20_r1.2

## Copper pours and planes (outline as drawn; the poured copper is in the pictures)
GND on Top, Bottom: -0.3,34.9 -0.25,93.6 37.85,93.6 37.85,98.3 56.95,98.3 56.95,100.75 77.4,100.75 77.4,98.3 96.55,98.3 96.55,95.9 115.6,95.9 115.6,93.55 134.5,93.55 134.6,33.25 122.7,6.5 104.55,14.4 66.65,18.3 57.2,35
